# Altium PCB Lancelot.PcbDoc (part 12 of 14) (continued)
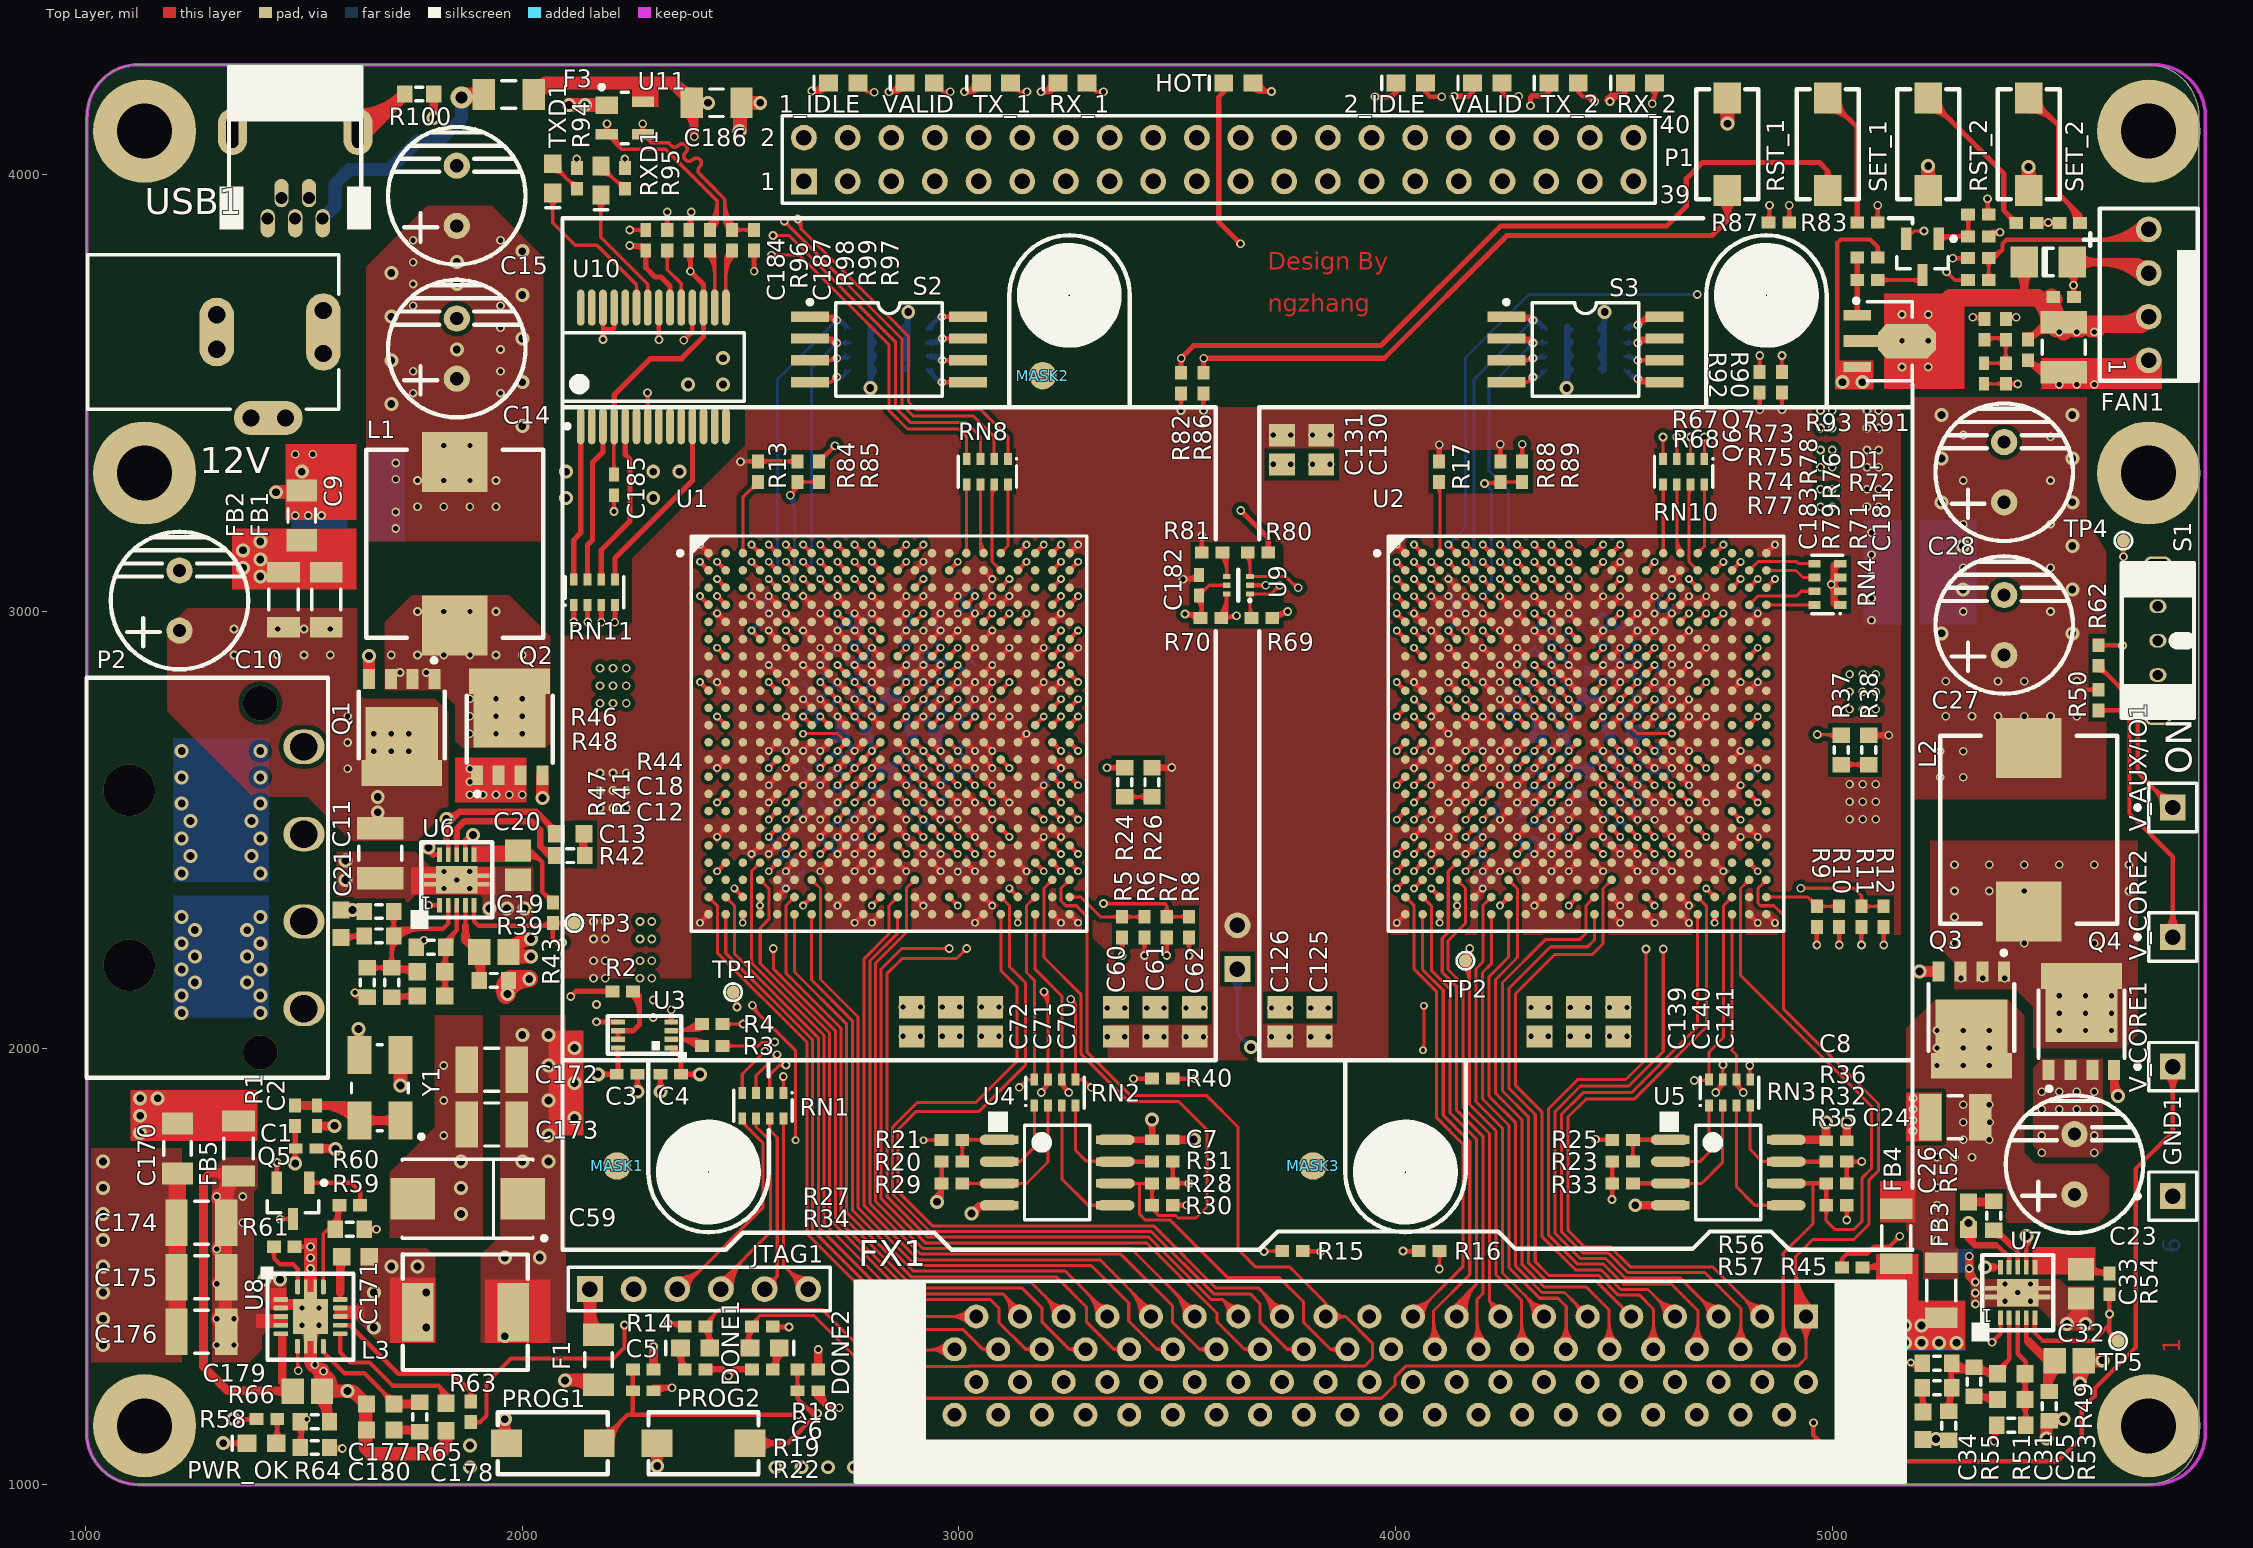
[diagram p0: Top Layer view]
## Nets (pads, with @x,y where several pads share a name; then routed paths per layer and width w, separated by ;. In a path a pad name is that pad's centre, name@x,y a point inside that pad or via, vN(x,y) a via of type N, cw(c..) or ccw(c..) an arc to the next point about the centre after c; other vN are vias at no path point) (continued)
cw(c4055.95,3074.26) v1@4046.29,3074.26 ; v1(4042.29,3074.26) U2.C2@4061.98,3054.57 ; R16.1@4045.2,1528.79 ccw(c4030.21,1513.8) 4030.21,1535 ccw(c4030.21,1556.2) R16.1@4045.2,1541.21 ; U2.W2@4057.13,2424.65 cw(c4045.44,2424.65) 4053.71,2416.39 cw(c4061.98,2408.12) U2.W2@4061.98,2419.81 ; U2.R2@4057.13,2582.13 cw(c4045.44,2582.13) 4053.71,2573.87 cw(c4061.98,2565.6) U2.R2@4061.98,2577.29 ; U2.L2@4057.13,2739.61 ccw(c4045.44,2739.61) 4053.71,2747.88 ccw(c4061.98,2756.15) U2.L2@4061.98,2744.46 ; U2.G2@4057.13,2897.09 ccw(c4045.44,2897.09) 4053.71,2905.36 ccw(c4061.98,2913.63) U2.G2@4061.98,2901.94 ; U2.C2@4057.13,3054.57 ccw(c4045.44,3054.57) 4053.71,3062.84 ccw(c4061.98,3071.11) U2.C2@4061.98,3059.42 ; v1@4081.66,2361.6 cw(c4081.66,2351.94) 4088.49,2358.77 cw(c4095.32,2365.6) v1@4085.66,2365.6 ; v1(4081.66,2365.6) U2.AA3@4101.35,2345.91 ; U2.AA3@4096.5,2345.91 ccw(c4084.81,2345.91) 4093.08,2354.18 ccw(c4101.35,2362.45) U2.AA3@4101.35,2350.76 ; v1@4121.03,2952.15 cw(c4121.03,2942.49) 4127.86,2949.32 cw(c4134.69,2956.15) v1@4125.03,2956.15 ; v1(4121.03,2956.15) U2.F4@4140.72,2936.46 ; v1@4121.03,3109.63 cw(c4121.03,3099.97) 4127.86,3106.8 cw(c4134.69,3113.63) v1@4125.03,3113.63 ; v1(4121.03,3113.63) U2.B4@4140.72,3093.94 ; U2.F4@4135.87,2936.46 ccw(c4124.18,2936.46) 4132.45,2944.73 ccw(c4140.72,2953) U2.F4@4140.72,2941.31 ; U2.B4@4135.87,3093.94 ccw(c4124.18,3093.94) 4132.45,3102.21 ccw(c4140.72,3110.48) U2.B4@4140.72,3098.79 ; v1(4160.4,2404.97) U2.W5@4180.09,2424.65 ; v1@4160.4,2408.97 ccw(c4160.4,2418.62) 4167.23,2411.8 ccw(c4174.06,2404.97) v1@4164.4,2404.97 ; v1(4160.4,2483.71) U2.U5@4180.09,2503.39 ; v1@4160.4,2487.71 ccw(c4160.4,2497.36) 4167.23,2490.54 ccw(c4174.06,2483.71) v1@4164.4,2483.71 ; v1(4160.4,2641.19) U2.N5@4180.09,2660.87 ; v1@4160.4,2645.19 ccw(c4160.4,2654.84) 4167.23,2648.02 ccw(c4174.06,2641.19) v1@4164.4,2641.19 ; v1@4160.4,2834.04 cw(c4160.4,2824.38) 4167.23,2831.21 cw(c4174.06,2838.04) v1@4164.4,2838.04 ; v1(4160.4,2838.04) U2.J5@4180.09,2818.35 ; U2.W5@4175.24,2424.65 cw(c4163.55,2424.65) 4171.82,2416.39 cw(c4180.09,2408.12) U2.W5@4180.09,2419.81 ; U2.U5@4175.24,2503.39 cw(c4163.55,2503.39) 4171.82,2495.13 cw(c4180.09,2486.86) U2.U5@4180.09,2498.55 ; U2.N5@4175.24,2660.87 cw(c4163.55,2660.87) 4171.82,2652.61 cw(c4180.09,2644.34) U2.N5@4180.09,2656.03 ; U2.J5@4175.24,2818.35 ccw(c4163.55,2818.35) 4171.82,2826.62 ccw(c4180.09,2834.89) U2.J5@4180.09,2823.2 ; v1(4199.77,2444.34) U2.V6@4219.46,2464.02 ; v1@4199.77,2448.34 ccw(c4199.77,2457.99) 4206.6,2451.17 ccw(c4213.43,2444.34) v1@4203.77,2444.34 ; v1(4199.77,2562.45) U2.R6@4219.46,2582.13 ; v1@4199.77,2566.45 ccw(c4199.77,2576.1) 4206.6,2569.28 ccw(c4213.43,2562.45) v1@4203.77,2562.45 ; v1@4199.77,2952.15 cw(c4199.77,2942.49) 4206.6,2949.32 cw(c4213.43,2956.15) v1@4203.77,2956.15 ; v1(4199.77,2956.15) U2.F6@4219.46,2936.46 ; U2.V6@4214.61,2464.02 cw(c4202.92,2464.02) 4211.19,2455.76 cw(c4219.46,2447.49) U2.V6@4219.46,2459.18 ; U2.R6@4214.61,2582.13 cw(c4202.92,2582.13) 4211.19,2573.87 cw(c4219.46,2565.6) U2.R6@4219.46,2577.29 ; U2.F6@4214.61,2936.46 ccw(c4202.92,2936.46) 4211.19,2944.73 ccw(c4219.46,2953) U2.F6@4219.46,2941.31 ; v1(4239.14,2326.23) U2.AA7@4258.83,2345.91 ; v1@4239.14,2330.23 ccw(c4239.14,2339.88) 4245.97,2333.06 ccw(c4252.8,2326.23) v1@4243.14,2326.23 ; v1@4239.14,2755.3 cw(c4239.14,2745.64) 4245.97,2752.47 cw(c4252.8,2759.3) v1@4243.14,2759.3 ; v1(4239.14,2759.3) U2.L7@4258.83,2739.61 ; v1@4239.14,3109.63 cw(c4239.14,3099.97) 4245.97,3106.8 cw(c4252.8,3113.63) v1@4243.14,3113.63 ; v1(4239.14,3113.63) U2.B7@4258.83,3093.94 ; U2.AA7@4253.98,2345.91 cw(c4242.29,2345.91) 4250.56,2337.65 cw(c4258.83,2329.38) U2.AA7@4258.83,2341.07 ; U2.L7@4253.98,2739.61 ccw(c4242.29,2739.61) 4250.56,2747.88 ccw(c4258.83,2756.15) U2.L7@4258.83,2744.46 ; U2.B7@4253.98,3093.94 ccw(c4242.29,3093.94) 4250.56,3102.21 ccw(c4258.83,3110.48) U2.B7@4258.83,3098.79 ; v1(4278.51,2444.34) U2.V8@4298.2,2464.02 ; v1@4278.51,2448.34 ccw(c4278.51,2457.99) 4285.34,2451.17 ccw(c4292.17,2444.34) v1@4282.51,2444.34 ; v1(4278.51,2641.19) U2.N8@4298.2,2660.87 ; v1@4278.51,2645.19 ccw(c4278.51,2654.84) 4285.34,2648.02 ccw(c4292.17,2641.19) v1@4282.51,2641.19 ; v1@4278.51,2755.3 cw(c4278.51,2745.64) 4285.34,2752.47 cw(c4292.17,2759.3) v1@4282.51,2759.3 ; v1(4278.51,2759.3) U2.L8@4298.2,2739.61 ; R89.1@4283.79,3351.8 ccw(c4268.8,3366.79) 4290,3366.79 ccw(c4311.2,3366.79) R89.1@4296.21,3351.8 ; v2@4286.46,3379.46 cw(c4277.93,3370.93) 4290,3370.93 cw(c4302.07,3370.93) v2@4293.54,3379.46 ; R89.1@4290,3343.62 v2(4290,3383) ; U2.V8@4293.35,2464.02 cw(c4281.66,2464.02) 4289.93,2455.76 cw(c4298.2,2447.49) U2.V8@4298.2,2459.18 ; U2.N8@4293.35,2660.87 cw(c4281.66,2660.87) 4289.93,2652.61 cw(c4298.2,2644.34) U2.N8@4298.2,2656.03 ; U2.L8@4293.35,2739.61 ccw(c4281.66,2739.61) 4289.93,2747.88 ccw(c4298.2,2756.15) U2.L8@4298.2,2744.46 ; v1(4317.88,2523.08) U2.T9@4337.57,2542.76 ; v1@4317.88,2527.08 ccw(c4317.88,2536.73) 4324.71,2529.91 ccw(c4331.54,2523.08) v1@4321.88,2523.08 ; v1@4317.88,2873.41 cw(c4317.88,2863.75) 4324.71,2870.58 cw(c4331.54,2877.41) v1@4321.88,2877.41 ; v1(4317.88,2877.41) U2.H9@4337.57,2857.72 ; v1@4317.88,2991.52 cw(c4317.88,2981.86) 4324.71,2988.69 cw(c4331.54,2995.52) v1@4321.88,2995.52 ; v1(4317.88,2995.52) U2.E9@4337.57,2975.83 ; U2.T9@4332.72,2542.76 cw(c4321.03,2542.76) 4329.3,2534.5 cw(c4337.57,2526.23) U2.T9@4337.57,2537.92 ; U2.H9@4332.72,2857.72 ccw(c4321.03,2857.72) 4329.3,2865.99 ccw(c4337.57,2874.26) U2.H9@4337.57,2862.57 ; U2.E9@4332.72,2975.83 ccw(c4321.03,2975.83) 4329.3,2984.1 ccw(c4337.57,2992.37) U2.E9@4337.57,2980.68 ; v1(4357.25,2562.45) U2.R10@4376.94,2582.13 ; v1@4357.25,2566.45 ccw(c4357.25,2576.1) 4364.08,2569.28 ccw(c4370.91,2562.45) v1@4361.25,2562.45 ; v1@4357.25,2912.78 cw(c4357.25,2903.12) 4364.08,2909.95 cw(c4370.91,2916.78) v1@4361.25,2916.78 ; v1(4357.25,2916.78) U2.G10@4376.94,2897.09 ; U2.R10@4372.09,2582.13 cw(c4360.4,2582.13) 4368.67,2573.87 cw(c4376.94,2565.6) U2.R10@4376.94,2577.29 ; U2.G10@4372.09,2897.09 ccw(c4360.4,2897.09) 4368.67,2905.36 ccw(c4376.94,2913.63) U2.G10@4376.94,2901.94 ; v1(4396.62,2326.23) U2.AA11@4416.31,2345.91 ; v1@4396.62,2330.23 ccw(c4396.62,2339.88) 4403.45,2333.06 ccw(c4410.28,2326.23) v1@4400.62,2326.23 ; v1(4396.62,2483.71) U2.U11@4416.31,2503.39 ; v1@4396.62,2487.71 ccw(c4396.62,2497.36) 4403.45,2490.54 ccw(c4410.28,2483.71) v1@4400.62,2483.71 ; v1@4396.62,2952.15 cw(c4396.62,2942.49) 4403.45,2949.32 cw(c4410.28,2956.15) v1@4400.62,2956.15 ; v1(4396.62,2956.15) U2.F11@4416.31,2936.46 ; v1@4396.62,3109.63 cw(c4396.62,3099.97) 4403.45,3106.8 cw(c4410.28,3113.63) v1@4400.62,3113.63 ; v1(4396.62,3113.63) U2.B11@4416.31,3093.94 ; U2.AA11@4411.46,2345.91 cw(c4399.77,2345.91) 4408.04,2337.65 cw(c4416.31,2329.38) U2.AA11@4416.31,2341.07 ; U2.U11@4411.46,2503.39 cw(c4399.77,2503.39) 4408.04,2495.13 cw(c4416.31,2486.86) U2.U11@4416.31,2498.55 ; U2.F11@4411.46,2936.46 ccw(c4399.77,2936.46) 4408.04,2944.73 ccw(c4416.31,2953) U2.F11@4416.31,2941.31 ; U2.B11@4411.46,3093.94 ccw(c4399.77,3093.94) 4408.04,3102.21 ccw(c4416.31,3110.48) U2.B11@4416.31,3098.79 ; U2.V12@4455.68,2459.18 cw(c4455.68,2447.49) 4463.94,2455.76 cw(c4472.21,2464.02) U2.V12@4460.52,2464.02 ; U2.V12@4455.68,2464.02 v1(4475.36,2444.34) ; U2.R12@4455.68,2577.29 cw(c4455.68,2565.6) 4463.94,2573.87 cw(c4472.21,2582.13) U2.R12@4460.52,2582.13 ; U2.R12@4455.68,2582.13 v1(4475.36,2562.45) ; U2.G12@4455.68,2897.09 v1(4475.36,2916.78) ; U2.G12@4455.68,2901.94 ccw(c4455.68,2913.63) 4463.94,2905.36 ccw(c4472.21,2897.09) U2.G12@4460.52,2897.09 ; v1@4471.36,2444.34 ccw(c4461.71,2444.34) 4468.53,2451.17 ccw(c4475.36,2457.99) v1@4475.36,2448.34 ; v1@4471.36,2562.45 ccw(c4461.71,2562.45) 4468.53,2569.28 ccw(c4475.36,2576.1) v1@4475.36,2566.45 ; v1@4471.36,2916.78 cw(c4461.71,2916.78) 4468.53,2909.95 cw(c4475.36,2903.12) v1@4475.36,2912.78 ; R33.1@4490.17,1683.79 cw(c4475.18,1668.8) 4496.38,1668.8 cw(c4517.57,1668.8) R33.1@4502.59,1683.79 ; R33.1@4490.17,1696.21 ccw(c4475.18,1711.2) 4496.38,1711.2 ccw(c4517.57,1711.2) R33.1@4502.59,1696.21 ; R23.1@4490.17,1733.79 cw(c4475.18,1718.8) 4496.38,1718.8 cw(c4517.57,1718.8) R23.1@4502.59,1733.79 ; v2@4492.46,1656.54 ccw(c4483.02,1665.98) 4496.38,1665.98 ; U2.T13@4495.05,2537.92 cw(c4495.05,2526.23) 4503.31,2534.5 cw(c4511.58,2542.76) U2.T13@4499.89,2542.76 ; U2.T13@4495.05,2542.76 v1(4514.73,2523.08) ; U2.E13@4495.05,2975.83 v1(4514.73,2995.52) ; U2.E13@4495.05,2980.68 ccw(c4495.05,2992.37) 4503.31,2984.1 ccw(c4511.58,2975.83) U2.E13@4499.89,2975.83 ; v2@4496.38,1653.38 R33.1@4496.38,1690 R23.1@4496.38,1740 ; 4496.38,1664.16 ccw(c4507.16,1664.16) v2@4499.54,1656.54 ; v1@4510.73,2523.08 ccw(c4501.08,2523.08) 4507.9,2529.91 ccw(c4514.73,2536.73) v1@4514.73,2527.08 ; v1@4510.73,2995.52 cw(c4501.08,2995.52) 4507.9,2988.69 cw(c4514.73,2981.86) v1@4514.73,2991.52 ; U2.G14@4534.42,2897.09 v1(4554.1,2916.78) ; U2.G14@4534.42,2901.94 ccw(c4534.42,2913.63) 4542.68,2905.36 ccw(c4550.95,2897.09) U2.G14@4539.26,2897.09 ; v1@4550.1,2916.78 cw(c4540.45,2916.78) 4547.27,2909.95 cw(c4554.1,2903.12) v1@4554.1,2912.78 ; U2.AA15@4573.79,2341.07 cw(c4573.79,2329.38) 4582.05,2337.65 cw(c4590.32,2345.91) U2.AA15@4578.63,2345.91 ; U2.AA15@4573.79,2345.91 v1(4593.47,2326.23) ; U2.M15@4573.79,2695.4 cw(c4573.79,2683.71) 4582.05,2691.98 cw(c4590.32,2700.24) U2.M15@4578.63,2700.24 ; U2.M15@4573.79,2700.24 v1(4593.47,2680.56) ; U2.K15@4573.79,2778.98 v1(4593.47,2798.67) ; U2.K15@4573.79,2783.83 ccw(c4573.79,2795.52) 4582.05,2787.25 ccw(c4590.32,2778.98) U2.K15@4578.63,2778.98 ; U2.H15@4573.79,2857.72 v1(4593.47,2877.41) ; U2.H15@4573.79,2862.57 ccw(c4573.79,2874.26) 4582.05,2865.99 ccw(c4590.32,2857.72) U2.H15@4578.63,2857.72 ; U2.B15@4573.79,3093.94 v1(4593.47,3113.63) ; U2.B15@4573.79,3098.79 ccw(c4573.79,3110.48) 4582.05,3102.21 ccw(c4590.32,3093.94) U2.B15@4578.63,3093.94 ; v1@4589.47,2326.23 ccw(c4579.82,2326.23) 4586.64,2333.06 ccw(c4593.47,2339.88) v1@4593.47,2330.23 ; v1@4589.47,2680.56 ccw(c4579.82,2680.56) 4586.64,2687.39 ccw(c4593.47,2694.22) v1@4593.47,2684.56 ; v1@4589.47,2798.67 cw(c4579.82,2798.67) 4586.64,2791.84 cw(c4593.47,2785.01) v1@4593.47,2794.67 ; v1@4589.47,2877.41 cw(c4579.82,2877.41) 4586.64,2870.58 cw(c4593.47,2863.75) v1@4593.47,2873.41 ; v1@4589.47,3113.63 cw(c4579.82,3113.63) 4586.64,3106.8 cw(c4593.47,3099.97) v1@4593.47,3109.63 ; U2.P16@4613.07,2621.42 v1(4632.76,2601.73) ; U2.V16@4613.16,2459.18 cw(c4613.16,2447.49) 4621.42,2455.76 cw(c4629.69,2464.02) U2.V16@4618,2464.02 ; U2.V16@4613.16,2464.02 v1(4632.84,2444.34) ; U2.P16@4613.16,2616.66 cw(c4613.16,2605.39) 4621.13,2613.36 ; U2.L16@4613.16,2739.61 v1(4632.84,2759.3) ; U2.L16@4613.16,2744.46 ccw(c4613.16,2756.15) 4621.42,2747.88 ccw(c4629.69,2739.61) U2.L16@4618,2739.61 ; U2.D16@4613.16,3015.2 v1(4632.84,3034.89) ; U2.D16@4613.16,3020.05 ccw(c4613.16,3031.74) 4621.42,3023.47 ccw(c4629.69,3015.2) U2.D16@4618,3015.2 ; U2.P16@4618,2621.5 ccw(c4630.11,2621.5) 4621.55,2612.94 ; v1@4628.76,2601.73 ccw(c4619.1,2601.73) 4625.93,2608.56 ccw(c4632.76,2615.39) v1@4632.76,2605.73 ; v1@4628.84,2444.34 ccw(c4619.19,2444.34) 4626.02,2451.17 ccw(c4632.84,2457.99) v1@4632.84,2448.34 ; v1@4628.84,2759.3 cw(c4619.19,2759.3) 4626.02,2752.47 cw(c4632.84,2745.64) v1@4632.84,2755.3 ; v1@4628.84,3034.89 cw(c4619.19,3034.89) 4626.02,3028.06 cw(c4632.84,3021.23) v1@4632.84,3030.89 ; U2.E17@4652.53,2975.83 v1(4672.21,2995.52) ; U2.E17@4652.53,2980.68 ccw(c4652.53,2992.37) 4660.79,2984.1 ccw(c4669.06,2975.83) U2.E17@4657.37,2975.83 ; v1@4668.21,2995.52 cw(c4658.56,2995.52) 4665.39,2988.69 cw(c4672.21,2981.86) v1@4672.21,2991.52 ; U2.U18@4691.9,2498.55 cw(c4691.9,2486.86) 4700.16,2495.13 cw(c4708.43,2503.39) U2.U18@4696.74,2503.39 ; U2.U18@4691.9,2503.39 v1(4711.58,2483.71) ; U2.N18@4691.9,2656.03 cw(c4691.9,2644.34) 4700.16,2652.61 cw(c4708.43,2660.87) U2.N18@4696.74,2660.87 ; U2.N18@4691.9,2660.87 v1(4711.58,2641.19) ; U2.J18@4691.9,2818.35 v1(4711.58,2838.04) ; U2.J18@4691.9,2823.2 ccw(c4691.9,2834.89) 4700.16,2826.62 ccw(c4708.43,2818.35) U2.J18@4696.74,2818.35 ; v1@4707.58,2483.71 ccw(c4697.93,2483.71) 4704.76,2490.54 ccw(c4711.58,2497.36) v1@4711.58,2487.71 ; v1@4707.58,2641.19 ccw(c4697.93,2641.19) 4704.76,2648.02 ccw(c4711.58,2654.84) v1@4711.58,2645.19 ; v1@4707.58,2838.04 cw(c4697.93,2838.04) 4704.76,2831.21 cw(c4711.58,2824.38) v1@4711.58,2834.04 ; v1@4711.58,2361.6 cw(c4711.58,2351.94) 4718.41,2358.77 cw(c4725.24,2365.6) v1@4715.58,2365.6 ; v1(4711.58,2365.6) U2.AA19@4731.27,2345.91 ; U2.AA19@4726.43,2345.91 ccw(c4714.73,2345.91) 4723,2354.18 ccw(c4731.27,2362.45) U2.AA19@4731.27,2350.76 ; U2.E19@4731.27,2975.83 v1(4750.95,2995.52) ; U2.E19@4731.27,2980.68 ccw(c4731.27,2992.37) 4739.53,2984.1 ccw(c4747.8,2975.83) U2.E19@4736.11,2975.83 ; U2.B19@4731.27,3093.94 v1(4750.95,3113.63) ; U2.B19@4731.27,3098.79 ccw(c4731.27,3110.48) 4739.53,3102.21 ccw(c4747.8,3093.94) U2.B19@4736.11,3093.94 ; v1@4746.95,2995.52 cw(c4737.3,2995.52) 4744.13,2988.69 cw(c4750.95,2981.86) v1@4750.95,2991.52 ; v1@4746.95,3113.63 cw(c4737.3,3113.63) 4744.13,3106.8 cw(c4750.95,3099.97) v1@4750.95,3109.63 ; U2.W21@4810.01,2419.81 cw(c4810.01,2408.12) 4818.27,2416.39 cw(c4826.54,2424.65) U2.W21@4814.85,2424.65 ; U2.W21@4810.01,2424.65 v1(4829.69,2404.97) ; U2.R21@4810.01,2577.29 cw(c4810.01,2565.6) 4818.27,2573.87 cw(c4826.54,2582.13) U2.R21@4814.85,2582.13 ; U2.R21@4810.01,2582.13 v1(4829.69,2562.45) ; U2.L21@4810.01,2739.61 v1(4829.69,2759.3) ; U2.L21@4810.01,2744.46 ccw(c4810.01,2756.15) 4818.27,2747.88 ccw(c4826.54,2739.61) U2.L21@4814.85,2739.61 ; U2.G21@4810.01,2897.09 v1(4829.69,2916.78) ; U2.G21@4810.01,2901.94 ccw(c4810.01,2913.63) 4818.27,2905.36 ccw(c4826.54,2897.09) U2.G21@4814.85,2897.09 ; U2.C21@4810.01,3054.57 v1(4829.69,3074.26) ; U2.C21@4810.01,3059.42 ccw(c4810.01,3071.11) 4818.27,3062.84 ccw(c4826.54,3054.57) U2.C21@4814.85,3054.57 ; v1@4825.69,2404.97 ccw(c4816.04,2404.97) 4822.87,2411.8 ccw(c4829.69,2418.62) v1@4829.69,2408.97 ; v1@4825.69,2562.45 ccw(c4816.04,2562.45) 4822.87,2569.28 ccw(c4829.69,2576.1) v1@4829.69,2566.45 ; v1@4825.69,2759.3 cw(c4816.04,2759.3) 4822.87,2752.47 cw(c4829.69,2745.64) v1@4829.69,2755.3 ; v1@4825.69,2916.78 cw(c4816.04,2916.78) 4822.87,2909.95 cw(c4829.69,2903.12) v1@4829.69,2912.78 ; v1@4825.69,3074.26 cw(c4816.04,3074.26) 4822.87,3067.43 cw(c4829.69,3060.6) v1@4829.69,3070.26 ; R87.1@4895.41,3897.21 ccw(c4880.43,3912.2) 4901.62,3912.2 ccw(c4922.82,3912.2) R87.1@4907.83,3897.21 ; v2@4898.09,3926.84 cw(c4889.55,3918.31) 4901.62,3918.31 cw(c4913.69,3918.31) v2@4905.16,3926.84 ; R87.1@4901.62,3891 v2(4901.62,3930.38) ; R9.1@4958.79,2269.2 cw(c4943.8,2254.21) 4965,2254.21 cw(c4986.2,2254.21) R9.1@4971.21,2269.2 ; v2@4961.46,2239.54 ccw(c4952.93,2248.07) 4965,2248.07 ccw(c4977.07,2248.07) v2@4968.54,2239.54 ; v2(4965,2236) R9.1@4965,2277.38 ; v2@4994.46,3058.46 cw(c4978.69,3042.69) 5001,3042.69 ; v2@4994.46,3065.54 ccw(c4978.69,3081.31) 5001,3081.31 ; v2@4998.01,3057 cw(c4998.03,3032.77) RN4.2@5018.15,3046.27 ; v2@4998.01,3067 ccw(c4998.03,3091.23) RN4.3@5018.15,3077.73 ; 5001,3016.23 cw(c5032.75,3016.23) RN4.2@5015.68,3043 ; 5001,3030.36 ccw(c5029.21,3030.36) RN4.1@5009.26,3010.41 ; 5001,3034.46 cw(c5021.12,3034.46) RN4.2@5010.3,3051.43 ; 5001,3038 cw(c5053.35,3038) RN4.3@5016.33,3075.02 ; v2@5001,3054.5 ccw(c5053.35,3054.5) RN4.1@5016.33,3017.48 ; v2@5001,3061.86 ccw(c5029.21,3061.86) RN4.2@5009.26,3041.91 ; v2@5001,3062.14 cw(c5029.21,3062.14) RN4.3@5009.26,3082.09 ; v2@5001,3069.5 cw(c5053.35,3069.5) RN4.4@5016.33,3106.52 ; 5001,3086 ccw(c5053.35,3086) RN4.2@5016.33,3048.98 ; 5001,3089.23 ccw(c5020.58,3089.23) RN4.3@5010.42,3072.5 ; 5001,3093.64 cw(c5029.21,3093.64) RN4.4@5009.26,3113.59 ; 5002.65,3048.35 ccw(c4987.83,3044.38) 4995.5,3057.67 cw(c4984.58,3038.76) RN4.2@5005.68,3044.41 ; 5002.65,3075.65 cw(c4987.83,3079.62) 4995.5,3066.33 ccw(c4984.58,3085.24) RN4.3@5005.68,3079.59 ; RN4.4@5010.88,3106.52 ccw(c5004.29,3099.93) 5004.29,3109.24 ccw(c5004.29,3118.56) RN4.4@5010.88,3111.97 ; RN4.1@5011.46,3017.97 cw(c5006.86,3024.86) 5001,3019 ; RN4.3@5015.61,3081.05 cw(c5031.36,3107) 5001,3107 ; RN4.1@5018.53,3014.76 5005.24,3014.76 5001,3019 ; RN4.4@5018.53,3109.24 5003.24,3109.24 5001,3107 ; R32.1@5027.41,1696.21 ccw(c5012.43,1711.2) 5033.62,1711.2 ccw(c5054.82,1711.2) R32.1@5039.83,1696.21 ; R36.1@5027.41,1733.79 cw(c5012.43,1718.8) 5033.62,1718.8 cw(c5054.82,1718.8) R36.1@5039.83,1733.79 ; R32.1@5033.62,1690 R36.1@5033.62,1740 v2(5068,1740) ; R36.1@5041.8,1733.79 cw(c5056.79,1718.8) 5056.79,1740 cw(c5056.79,1761.2) R36.1@5041.8,1746.21 ; R11.1@5060.79,2269.2 cw(c5045.8,2254.21) 5067,2254.21 cw(c5088.2,2254.21) R11.1@5073.21,2269.2 ; v2@5063.46,2239.54 ccw(c5054.93,2248.07) 5067,2248.07 ccw(c5079.07,2248.07) v2@5070.54,2239.54 ; v2@5064.46,1736.46 ccw(c5055.93,1727.93) 5055.93,1740 ccw(c5055.93,1752.07) v2@5064.46,1743.54 ; v2(5067,2236) R11.1@5067,2277.38 ; R83.1@5098.41,3897.21 ccw(c5083.43,3912.2) 5104.62,3912.2 ccw(c5125.82,3912.2) R83.1@5110.83,3897.21 ; v2@5101.09,3926.84 cw(c5092.55,3918.31) 5104.62,3918.31 cw(c5116.69,3918.31) v2@5108.16,3926.84 ; R83.1@5104.62,3891 v2(5104.62,3930.38) ; v2@5273,3812 v2(5276,3809) R74.2@5311.38,3809 ; v2@5279.54,3805.46 cw(c5288.07,3796.93) 5288.07,3809 cw(c5288.07,3821.07) v2@5279.54,3812.54 ; R74.2@5303.2,3802.79 ccw(c5288.21,3787.8) 5288.21,3809 ccw(c5288.21,3830.2) R74.2@5303.2,3815.21 ; R73.1@5350.45,3915.21 ccw(c5337.04,3928.62) 5356,3928.62 ; v2@5352.46,3941.46 cw(c5343.93,3932.93) 5356,3932.93 cw(c5368.07,3932.93) v2@5359.54,3941.46 ; 5356,3931.77 ccw(c5379.43,3931.77) R73.1@5362.86,3915.21 ; v2(5356,3945) 5356,3911.62 R73.1@5358.62,3909 R73.1@5359.62,3908 ; R93.1@5468.62,3890 R91.1@5520.38,3890 ; R93.1@5476.8,3883.79 cw(c5491.79,3868.8) 5491.79,3890 cw(c5491.79,3911.2) R93.1@5476.8,3896.21 ; R93.1@5480.3,3890 ccw(c5480.3,3905.49) v2@5491.25,3894.54 ; R93.1@5482.74,3887.57 ccw(c5479.44,3899.86) v2@5490.46,3893.5 ; R93.1@5483.62,3887.81 cw(c5486.57,3876.78) v2@5492.29,3886.67 ; R93.1@5484.1,3892.06 ccw(c5485.84,3898.52) v2@5490.96,3894.22 ; v2@5497.29,3886.67 cw(c5502.75,3877.22) R91.1@5505.57,3887.76 ; v2@5498.32,3894.54 ccw(c5509.27,3905.49) R91.1@5509.27,3890 ; v2@5498.63,3894.2 ccw(c5503.51,3898.24) R91.1@5505.14,3892.13 ; v2@5499.12,3893.5 ccw(c5510.57,3900.11) R91.1@5507.15,3887.34 ; R91.1@5512.2,3883.79 ccw(c5497.21,3868.8) 5497.21,3890 ccw(c5497.21,3911.2) R91.1@5512.2,3896.21 ; R62.2@5610,2922.62 5664.38,2922.62 v2(5665,2922) ; R62.2@5616.21,2916.41 cw(c5631.2,2901.43) 5631.2,2922.62 cw(c5631.2,2943.82) R62.2@5616.21,2928.83 ; 5651.43,2922.62 cw(c5651.43,2908.43) v2@5661.46,2918.46 ; 5654.43,2922.62 ccw(c5654.43,2932.57) v2@5661.46,2925.54 ; 3693.46,4190 v2@3715,4190 ; 5001,3019 5001,3107
  Top Layer w12: v3@1472.93,1743.07 ccw(c1455.86,1760.14) 1480,1760.14 ccw(c1504.14,1760.14) v3@1487.07,1743.07 ; R1.2@1474.5,1813.91 cw(c1461.22,1800.63) 1480,1800.63 cw(c1498.78,1800.63) R1.2@1485.5,1813.91 ; v3(1480,1736) R1.2@1480,1821.38 ; 1480,1752.64 cw(c1498.73,1752.64) C1.2@1485.49,1765.89 ; 1480,1787.36 ccw(c1498.73,1787.36) C1.2@1485.49,1774.11 ; v3(2173,1940) C3.1@2216.38,1940 2218.98,1942.6 U3.8@2218.98,2000.47 ; v3@2180.07,1932.93 cw(c2197.14,1915.86) 2197.14,1940 cw(c2197.14,1964.14) v3@2180.07,1947.07 ; C3.1@2208.33,1935.89 ccw(c2198.41,1925.97) 2198.41,1940 ccw(c2198.41,1954.03) C3.1@2208.33,1944.11 ; 2218.98,1957.26 ccw(c2237.58,1957.26) C3.1@2224.42,1944.11 ; U3.1@2341.02,2000.47 2363.62,1977.87 C4.2@2363.62,1940 v3(2407,1940) ; U3.1@2350.77,2000.47 ccw(c2374.31,2000.47) 2357.66,1983.83 ; C4.2@2359.51,1944.11 ccw(c2349.59,1954.03) 2363.62,1954.03 ccw(c2377.65,1954.03) C4.2@2367.73,1944.11 ; C4.2@2371.67,1935.89 cw(c2381.59,1925.97) 2381.59,1940 cw(c2381.59,1954.03) C4.2@2371.67,1944.11 ; v3@2399.93,1932.93 ccw(c2382.86,1915.86) 2382.86,1940 ccw(c2382.86,1964.14) v3@2399.93,1947.07
  Top Layer w15: U4.8@3358.86,1790 C7.2@3442.38,1790 v3@3442.38,1836 ; v3@3435.99,1829.99 cw(c3420.57,1814.57) 3442.38,1814.57 ; 3442.38,1816.39 cw(c3461.61,1816.39) v3@3448.01,1829.99
  Top Layer w20: v3(2098,1239) v3@2098.88,1239.88 ; R14.1@2300.62,1271 v2(2300.62,1316.38) ; R18.1@2677.62,1264 v2(2677.62,1309.62) ; U5.8@4895.86,1790 C8.2@4984.38,1790 ; C8.2@4986,1788.38 v3(4986,1830)
  Top Layer w30: v3@2098.88,1239.88 F1.2@2155,1239.88 ; v3@2113.11,1239.88 cw(c2113.11,1176.87) F1.2@2157.67,1221.42
  Mid-Layer 4 w10: v2(1588,1083) 1660,1083 1754,1177 2075,1177 2098,1200 v3(2098,1239) ; v2@1591.54,1079.46 cw(c1600.07,1070.93) 1600.07,1083 cw(c1600.07,1095.07) v2@1591.54,1086.54 ; v3@2090.22,1231.22 cw(c2071.44,1212.44) 2098,1212.44 cw(c2124.56,1212.44) v3@2105.78,1231.22